# KiCad board FetsAndCrosses.kicad_pcb (continued)
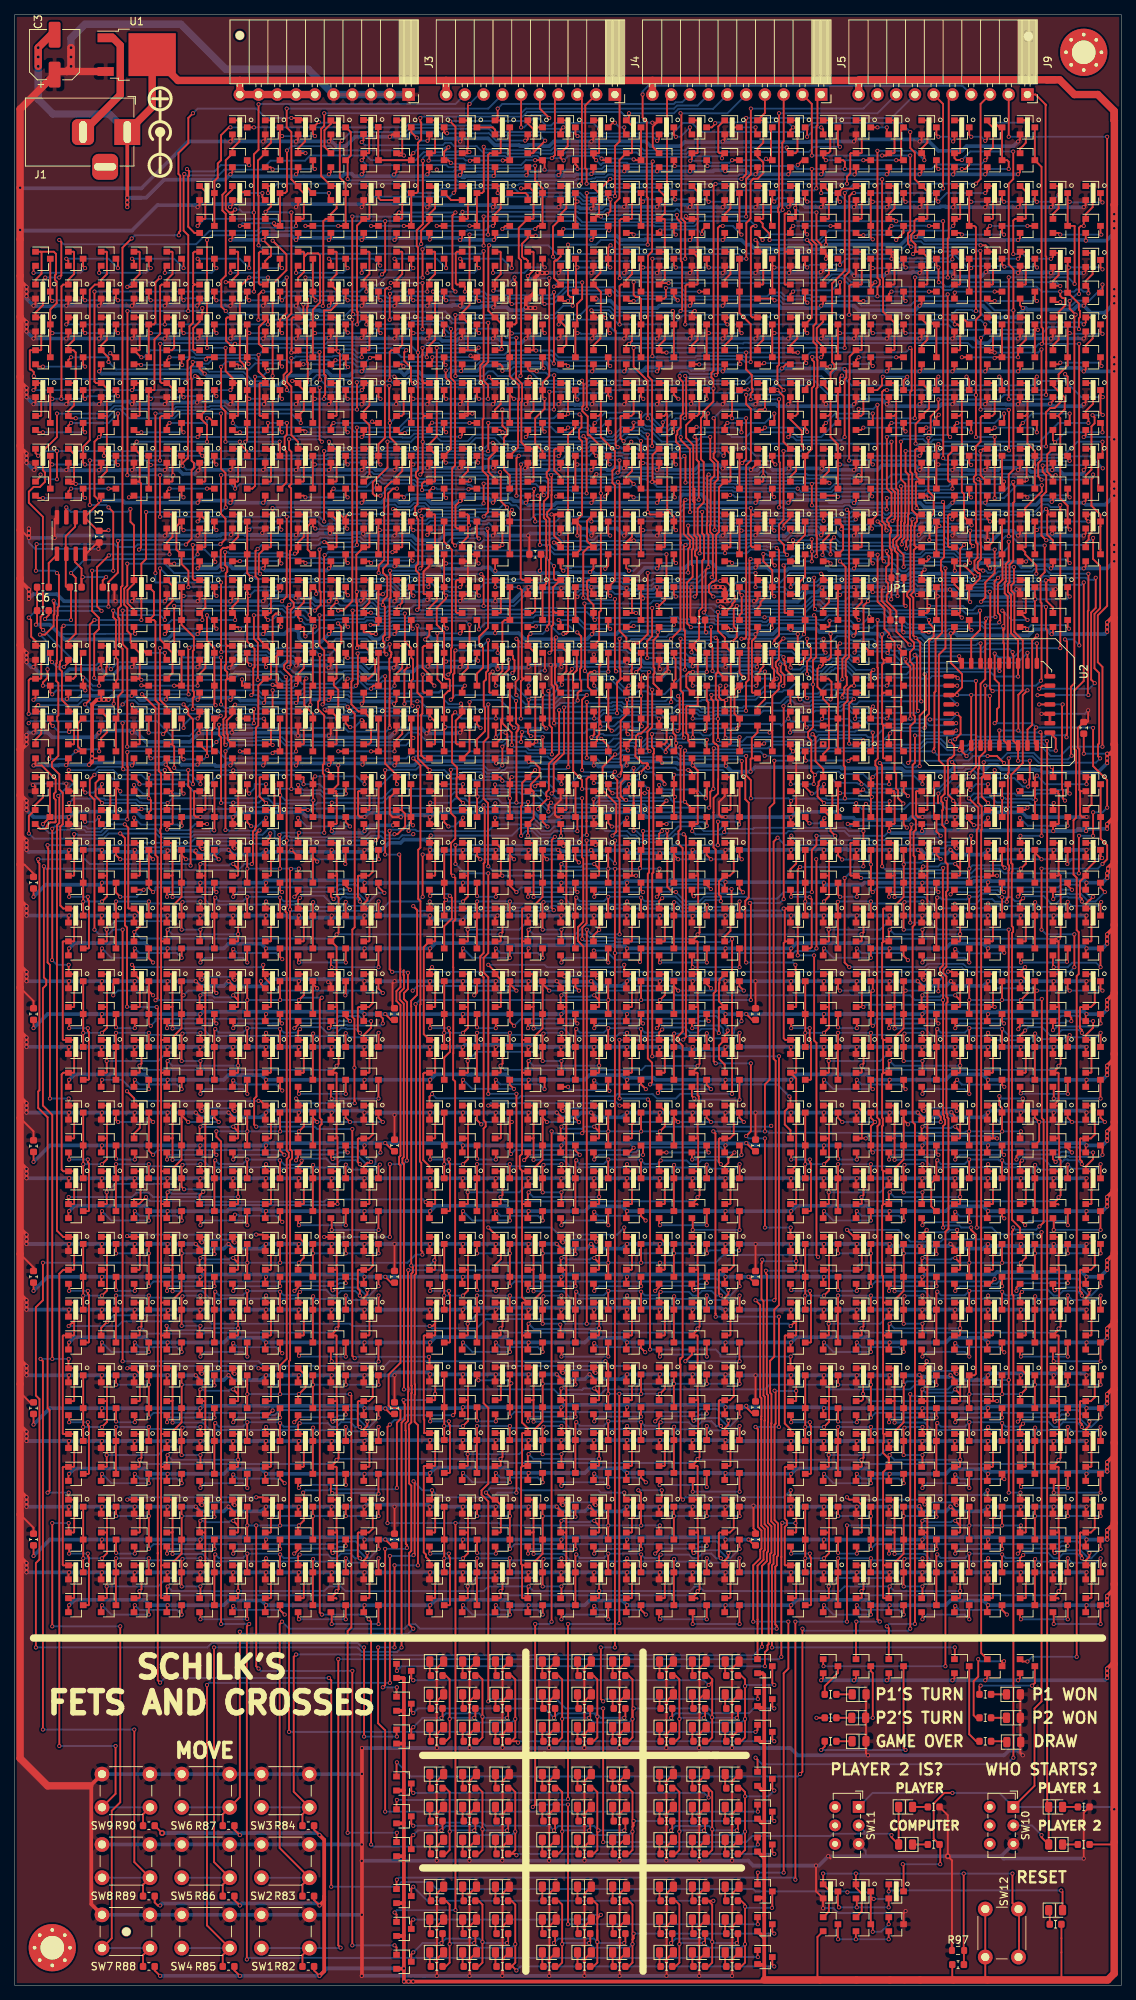
[diagram p0: board, top side]
## Routing (per net, layer and track width the routed paths; a pad name or vN(x,y) marks a point on that pad's centre or on a via; arc(x,y) is an arc through that point) (continued)
/PlayerMem_1/M2: length 471.3
  Top w0.25: 118.49,163.6 Q1024.1 ; Q1024.1 118.09,163.51 118.05,163.47 ; Q1024.1 118.4,162.59 v1(118.43,162.56) ; Q88.1 105.76,96.83 105.84,96.91 105.84,101.2 105.76,101.28 Q87.1 105.06,102.52 v1(105.09,102.55) ; 140.6,204.16 Q721.1 ; 140.6,204.16 140.53,204.16 139.83,204.86 139.83,207.18 Q722.1 ; 140.6,204.16 140.82,204.38 v1(140.97,204.38) ; 95.25,163.19 95.28,163.22 95.28,167.71 94.96,168.02 94.87,168.02 94.62,168.27 94.62,173.82 94.35,174.09 v1(94.35,174.62) ; 95.25,163.19 95.25,161.29 94.64,160.68 94.64,158.75 94.63,158.74 94.63,154.02 94.93,153.72 94.93,147.43 94.93,147.43 94.93,135.79 94.93,135.79 94.93,134.53 94.66,134.26 94.66,125.05 v1(94.93,124.78) ; 95.25,163.19 95.25,163.19 ; Q1023.1 105.06,162.59 v1(105.09,162.56) ; v1(93.31,185.81) 93.56,186.06 93.56,191.55 v1(93.95,191.93) 93.95,196.3 93.73,196.51 93.73,197.87 93.8,197.93 93.8,204.29 v1(93.98,204.47) ; v1(99.06,114.93) 99.7,115.57 v1(99.7,124.78) ; v1(52.7,189.86) 52.39,190.18 Q896.1 ; v1(38.1,44.77) 37.78,44.45 37.78,26.19 SW3.2 38.96,23.14 R84.1 ; v1(101.2,45.82) 101.2,56.75 101.87,57.41 101.87,58.56 102.03,58.72 102.03,61.93 101.55,62.4 101.55,76.41 101.58,76.44 101.58,79.65 101.4,79.82 101.4,92.58 101.13,92.86 101.13,97.71 101.23,97.82 v1(101.23,98.2) ; v1(45.75,186.06) 45.75,185.67 45.75,185.66 45.75,176.63 45.59,176.46 45.59,173.37 46.56,172.4 Q839.1 48.26,171.4 v1(48.26,170.81) 48.26,168.25 47.96,167.95 Q840.1 ; Q778.1 101.3,207.96 101.38,207.88 v1(101.38,204.29) 101.38,203.6 101.3,203.51 Q777.1 ; 51.7,186.38 51.75,186.34 51.76,186.34 v1(52.04,186.61) ; 51.7,186.38 52.48,187.16 52.48,190.1 52.41,190.18 Q896.1 ; 51.7,186.38 Q895.1 ; v1(108.22,162.58) 108.22,163.67 v1(108.38,163.83) 107.88,164.33 107.88,168.48 107.45,168.91 107.45,169.61 108.11,170.27 v1(108.11,176.06) 108.11,179.34 108.54,179.77 108.54,185.15 v1(108.27,185.42) ; Q896.1 51.88,190.35 51.88,190.4 ; v1(101.6,102.55) v1(101.6,114.62)
  Bottom w0.25: v1(52.04,186.61) 50.52,186.61 50.13,186.23 49.56,186.23 49.26,186.53 49.07,186.53 48.46,187.14 48.07,187.14 46.99,186.06 v1(45.75,186.06) ; 107.63,162.56 107.95,162.56 ; 107.63,162.56 v1(105.09,162.56) ; 107.63,162.56 107.66,162.58 v1(108.22,162.58) ; 101.7,204.1 101.5,204.29 v1(101.38,204.29) ; 101.7,204.1 101.65,204.05 97.97,204.05 97.92,204.1 94.35,204.1 v1(93.98,204.47) ; 101.7,204.1 101.72,204.08 104.68,204.08 104.7,204.1 107.05,204.1 107.24,203.92 113.87,203.92 114.01,203.78 118.05,203.78 118.74,204.47 133.41,204.47 133.51,204.57 135.54,204.57 135.6,204.5 137.17,204.5 137.43,204.24 138.6,204.24 138.74,204.38 v1(140.97,204.38) ; v1(99.7,124.78) v1(94.93,124.78) ; v1(101.23,98.2) 101.44,98 v1(105.84,98) ; v1(105.09,102.55) v1(101.6,102.55) ; v1(52.7,189.86) 53.39,190.55 57.78,190.55 58.06,190.28 73.58,190.28 73.71,190.15 74.88,190.15 75.17,190.44 78.14,190.44 78.15,190.42 82.33,190.42 82.6,190.15 86.27,190.15 86.42,190.3 92.31,190.3 v1(93.95,191.93) ; v1(108.27,185.42) 108.07,185.23 101.64,185.23 v1(101.55,185.14) 95.15,185.14 94.96,185.33 93.79,185.33 v1(93.31,185.81) ; v1(99.06,114.93) 99.38,114.62 v1(101.6,114.62) ; v1(38.1,44.77) 46.74,44.77 46.83,44.67 100.05,44.67 v1(101.2,45.82) ; v1(108.38,163.83) 108.81,164.26 111.61,164.26 111.92,163.95 114.88,163.95 116.27,162.56 v1(118.43,162.56) ; v1(94.35,174.62) 96.58,174.62 97.2,174 100.34,174 101.41,175.08 103.95,175.08 104.15,175.27 104.78,175.27 105.57,176.06 v1(108.11,176.06) ; SW3.2 SW3.2
/PlayerMem_1/M3: length 388.6
  Top w0.25: Q128.1 7.97,79.05 8.05,79.13 8.05,83.42 7.97,83.5 Q127.1 7.27,84.74 v1(7.3,84.77) ; v1(3.49,84.77) 3.81,84.45 v1(3.81,34.61) ; v1(41.92,195.32) 42.12,195.32 Q899.1 ; 87.97,190.18 Q782.1 ; 87.97,190.18 88.04,190.1 88.04,187.46 87.38,186.8 v1(87,186.8) 87.27,186.53 Q781.1 87.27,186.38 87.29,186.41 87.32,186.41 ; 87.97,190.18 88.27,190.48 v1(88.27,193.67) ; v1(128.27,185.1) 127.64,185.73 Q725.1 127.97,185.73 128.05,185.81 128.05,188.82 127.27,189.59 Q726.1 ; v1(16.19,34.61) 16.19,16.67 SW8.2 17.37,13.61 R89.1 ; v1(3.94,151.45) 3.94,136.4 4.26,136.08 4.26,135.39 3.81,134.94 3.81,119.06 5.08,117.79 v1(5.08,84.77) ; v1(32.9,194.41) 32.6,194.12 32.6,190.71 32.99,190.33 32.99,182.28 33.92,181.34 Q845.1 33.97,181.29 34.7,180.56 34.7,176.92 34.62,176.84 Q846.1 32.99,175.91 32.99,170.53 32.67,170.21 32.67,156.71 32.55,156.6 32.55,156.44 32.26,156.14 32.26,151.92 v1(32.1,151.76) ; Q899.1 42.81,194.36 ; Q899.1 43.52,194.62 43.59,194.7 43.59,198.34 42.86,199.07 Q900.1 ; Q340.1 96.87,167.95 96.98,168.06 96.98,180.48 Q339.1 96.17,182.38 95.23,183.33 v1(95.23,185.87)
  Bottom w0.25: v1(16.19,34.61) v1(3.81,34.61) ; v1(3.49,84.77) v1(5.08,84.77) v1(7.3,84.77) ; v1(95.23,185.87) 94.84,185.87 94.27,186.44 87.36,186.44 v1(87,186.8) ; v1(95.23,185.87) 95.5,185.59 98.85,185.59 99.05,185.79 107.05,185.79 108.14,186.87 109.03,186.87 109.48,186.42 114.95,186.42 115.1,186.27 117.85,186.27 118.49,185.64 127.73,185.64 v1(128.27,185.1) ; v1(95.23,185.87) 95.25,185.85 95.25,185.74 ; v1(3.94,151.45) 4.26,151.13 21.27,151.13 21.46,150.95 30.3,150.95 31.11,151.76 v1(32.1,151.76) ; v1(32.9,194.41) 33.4,194.91 41.12,194.91 41.53,195.32 v1(41.92,195.32) 45.82,195.32 46.05,195.55 46.62,195.55 47.04,195.13 53.47,195.13 54.4,194.2 72.56,194.2 73.09,193.67 v1(88.27,193.67) ; SW8.2 SW8.2
/PlayerMem_1/M4: length 473.6
  Top w0.25: 140.72,163.6 Q980.1 140.62,164.69 v1(140.44,164.87) ; Q168.1 56.87,79.18 56.94,79.26 56.94,83.55 56.87,83.62 56.17,83.62 56.17,84.98 v1(56.09,85.06) ; v1(121.01,165.45) 121.29,165.73 121.29,170.41 121.91,171.03 121.91,171.74 121.74,171.91 121.74,178.69 121.25,179.18 121.25,180.44 121.79,180.98 121.79,181.73 121.25,182.27 121.25,187.61 120.87,187.99 120.87,188.43 121.31,188.88 121.31,195.44 121.38,195.5 121.38,197.52 121.49,197.63 121.49,198.31 v1(121.6,198.42) ; v1(52.66,79.2) 52.66,78.82 52.81,78.67 52.81,76.56 52.39,76.14 v1(52.39,45.72) ; v1(126.98,198.42) 127.27,198.71 Q730.1 126.57,199.07 126.4,198.9 126.4,194.8 126.57,194.62 Q729.1 ; v1(32.7,116.2) 32.42,116.49 32.42,119.98 32.74,120.3 32.74,155.9 v1(33.15,156.31) ; v1(46.19,175.88) 46.47,176.16 46.47,180.22 v1(46.43,180.25) ; v1(133.98,165.42) 133.03,166.37 v1(131.76,166.37) ; v1(34.92,167.86) 34.83,167.95 Q852.1 34.62,167.95 34.7,168.03 34.7,172.32 34.62,172.4 ; v1(50.34,180.13) 50.06,180.4 50.06,181.78 49.88,181.96 49.88,182.53 50.12,182.77 50.12,186.55 v1(49.85,186.83) 49.85,187.39 50.45,187.99 50.45,190.6 49.88,191.16 49.88,191.74 50.55,192.41 50.55,194.25 50.58,194.27 50.58,201.93 51.22,202.56 v1(51.75,202.56) ; Q903.1 42.81,186.46 v1(43.59,187.23) 43.59,190.1 43.52,190.18 Q904.1 ; R86.1 28.17,13.61 SW5.2 26.99,16.67 v1(26.99,45.72) ; Q851.1 34.62,172.4 ; 34.62,172.4 34.92,172.7 v1(34.92,175.26) ; v1(45.72,115.89) 45.72,85.19 v1(46.04,84.87) ; v1(49.53,201.61) 48.78,201.61 48.48,201.9 48.48,203.42 50.48,205.42 v1(50.48,208.91) ; v1(85.73,209.87) v1(85.73,199.39) 86.05,199.07 Q786.1 87.97,199.07 88.04,198.99 88.04,194.7 87.97,194.62 Q785.1 87.58,194.31 ; v1(28.54,156.36) v1(28.54,167) ; Q979.1 127.29,165.2 v1(126.96,165.53)
  Bottom w0.25: v1(50.34,180.13) 50.06,180.4 46.59,180.4 v1(46.43,180.25) ; v1(49.85,186.83) 49.7,186.98 49.26,186.98 48.65,187.59 47.89,187.59 47.04,186.75 44.08,186.75 v1(43.59,187.23) ; v1(85.73,209.87) 85.49,210.1 85.17,210.1 84.86,210.42 82.4,210.42 81.12,209.13 80.05,209.13 79.77,209.41 77.71,209.41 77.25,208.95 68.93,208.95 68.92,208.96 66.44,208.96 65.53,209.87 62.23,209.87 61.36,209 57.7,209 57.16,209.54 54.28,209.54 53.66,208.91 v1(50.48,208.91) ; v1(28.54,167) 29.39,167.86 v1(34.92,167.86) ; v1(26.99,45.72) 46.42,45.72 47.02,45.12 51.79,45.12 v1(52.39,45.72) ; 121.41,198.25 121.58,198.42 v1(121.6,198.42) ; 121.41,198.25 121.73,198.57 126.83,198.57 v1(126.98,198.42) ; 121.41,198.25 120.85,198.81 118.59,198.81 118.35,198.57 117.72,198.57 117.29,199 113.61,199 113.26,198.66 110.21,198.66 110.06,198.81 104.09,198.81 104.06,198.84 96.02,198.84 95.47,199.39 94.02,199.39 93.39,200.02 92.82,200.02 92.79,199.99 90.77,199.99 90.17,199.39 v1(85.73,199.39) ; v1(56.94,80.04) 56.1,79.2 v1(52.66,79.2) ; v1(28.54,156.36) 28.93,156.36 29.04,156.25 32.7,156.25 32.76,156.31 v1(33.15,156.31) ; v1(140.44,164.87) 140.29,165.02 138.51,165.02 138.39,165.13 134.27,165.13 v1(133.98,165.42) ; v1(121.01,165.45) 121.29,165.73 126.76,165.73 v1(126.96,165.53) 127.19,165.77 129.19,165.77 129.79,166.37 v1(131.76,166.37) ; v1(32.7,116.2) 40.64,116.2 40.96,115.89 v1(45.72,115.89) ; v1(34.92,175.26) 35.06,175.13 38.7,175.13 39.18,175.61 45.92,175.61 v1(46.19,175.88) ; v1(51.75,202.56) 50.48,202.56 v1(49.53,201.61) ; v1(56.09,85.06) 46.22,85.06 v1(46.04,84.87) ; SW5.2 SW5.2
/PlayerMem_1/M5: length 475.6
  Top w0.25: Q208.1 105.76,79.05 105.84,79.13 105.84,83.42 105.76,83.5 Q207.1 105.06,85.06 v1(105.09,85.09) ; v1(90.59,155.79) 90.9,155.48 90.9,128.35 v1(90.54,127.99) ; v1(86.33,203.48) 86.36,203.51 86.56,203.51 ; Q790.1 87.22,207.96 86.38,207.13 86.38,203.7 86.56,203.51 ; v1(103.19,48.26) 103.19,48.65 103,48.83 103,56.64 103.22,56.85 103.22,58 103.38,58.16 103.38,62.49 102.9,62.96 102.9,75.85 103.05,76 103.05,80.32 v1(102.9,80.47) ; v1(33.23,191.04) 33.05,191.22 33.05,193.68 33.92,194.55 Q907.1 34.62,194.62 34.7,194.7 34.7,198.99 34.62,199.07 ; Q734.1 127.27,207.91 126.4,207.04 126.4,203.69 126.57,203.51 Q733.1 127,203.24 v1(127,202.56) ; 34.62,199.07 34.92,199.36 v1(34.92,199.93) ; 34.62,199.07 Q908.1 ; v1(81.89,127.95) 81.89,120.04 v1(81.92,120.01) ; v1(81.68,203.49) 81.92,203.26 81.92,183.3 82.84,182.38 Q1061.1 83.61,180.51 83.61,178.16 83.54,178.09 83.54,177.59 83.61,177.52 83.61,177.36 83.75,177.22 83.75,175.61 83.63,175.49 83.63,168.75 Q1062.1 82.84,167.31 83.01,167.13 v1(83.05,167.13) ; v1(63.5,203.24) v1(63.5,200.57) ; R83.1 38.96,13.61 SW2.2 35.88,18.57 35.88,48.89 v1(36.2,49.21) ; v1(80.95,155.6) 81.46,156.11 81.46,159.9 79.62,161.75 79.62,164.89 v1(81.32,166.59) ; 86.56,203.51 Q789.1 ; v1(19.68,191.77) 19.68,182.14 20.54,181.29 Q857.1 20.59,181.09 21.37,180.31 21.37,177.62 Q858.1 ; v1(85.75,119.88) 86.04,119.59 v1(86.04,86.04)
  Bottom w0.25: v1(90.59,155.79) 89.44,155.79 88.36,154.71 84.43,154.71 83.93,155.21 83.3,155.21 82.91,155.6 v1(80.95,155.6) ; v1(81.92,120.01) 85.62,120.01 v1(85.75,119.88) ; v1(86.04,86.04) 94.93,86.04 95.57,85.41 95.57,85.09 v1(105.09,85.09) ; 81.6,203.2 81.47,203.33 72.17,203.33 71.87,203.63 67.29,203.63 66.89,203.24 v1(63.5,203.24) ; 81.6,203.2 81.6,203.4 v1(81.68,203.49) ; 81.6,203.2 82.55,203.2 83.19,203.83 ; v1(102.9,80.47) 102.94,80.44 v1(105.84,80.44) ; 85.09,203.83 83.19,203.83 ; 83.19,203.83 85.5,203.83 85.85,203.48 v1(86.33,203.48) 87.01,202.79 91.84,202.79 91.87,202.82 93.41,202.82 93.48,202.75 97.36,202.75 97.51,202.6 106.01,202.6 106.49,202.11 110.62,202.11 111.07,202.57 119.44,202.57 119.73,202.28 123.23,202.28 123.38,202.43 126.87,202.43 v1(127,202.56) ; v1(36.2,49.21) 37.15,48.26 52.77,48.26 53.37,48.86 54.26,48.86 54.86,48.26 v1(103.19,48.26) ; v1(81.89,127.95) 90.51,127.95 v1(90.54,127.99) ; v1(33.23,191.04) 32.84,191.04 32.69,191.19 31.35,191.19 30.84,190.68 20.77,190.68 v1(19.68,191.77) ; SW2.2 SW2.2 ; 105.86,202.75 v1(106.05,202.56) ; v1(81.32,166.59) 81.7,166.59 82.25,167.13 v1(83.05,167.13) ; v1(34.92,199.93) 35.31,199.93 35.38,200.01 50.17,200.01 50.56,200.4 51.51,200.4 51.83,200.08 53.55,200.08 54.09,200.62 55.58,200.62 56.19,200 59.98,200 60.27,200.29 63.22,200.29 v1(63.5,200.57)
/PlayerMem_1/M6: length 377.9
  Top w0.25: 113.85,185.16 113.85,185.65 Q737.1 ; Q794.1 77.67,190.18 77.5,190.01 77.5,188.94 77.6,188.85 77.6,187.62 78.38,186.84 Q793.1 78.38,184.96 v1(78.55,184.78) ; v1(23.5,164.46) 23.5,162.31 23.81,161.99 v1(23.81,151.55) ; v1(29.59,164.43) 29.5,164.34 Q377.1 ; 20.32,167.69 Q864.1 21.29,167.95 ; v1(35.74,185.66) 35.35,185.66 34.92,185.23 v1(34.92,181.29) ; v1(7.3,62.55) 7.3,61.31 Q248.1 7.97,61.27 8.05,61.35 8.05,65.64 7.97,65.72 Q247.1 7.27,66.64 v1(7.3,66.67) ; R88.1 17.37,4.09 SW7.2 ; v1(42.33,164.46) 42.83,163.96 Q378.1 ; SW7.2 13.14,6.35 13.14,23.61 14.29,24.76 v1(14.29,48.58) ; v1(5.08,48.58) v1(5.08,62.55) ; v1(114.3,184.78) 113.94,185.15 Q737.1 ; Q737.1 113.94,186.38 114.71,187.16 114.71,190.1 114.64,190.18 Q738.1 ; v1(3.18,152.4) 3.18,152.01 3.34,151.85 3.34,121.13 3.18,120.97 3.18,118.74 4.45,117.47 4.45,78.11 4.72,77.83 4.72,66.95 v1(4.45,66.67) ; 21.29,167.95 21.59,167.65 v1(21.59,164.78) ; 21.29,167.95 21.37,168.03 21.37,172.32 21.29,172.4 Q863.1 20.59,173.05 19.66,173.98 v1(19.66,180.97) ; v1(34.29,184.78) 33.92,185.15 Q911.1 34.62,185.73 34.7,185.81 34.7,190.1 34.62,190.18 Q912.1
  Bottom w0.25: v1(114.3,184.78) 113.65,185.43 113.36,185.43 ; v1(7.3,66.67) v1(4.45,66.67) ; v1(21.59,164.78) 21.94,164.43 v1(29.59,164.43) 42.29,164.43 v1(42.33,164.46) ; v1(3.18,152.4) 9.53,152.4 10.16,151.76 23.59,151.76 v1(23.81,151.55) ; 113.36,185.43 110.22,185.43 109.57,184.78 102.04,184.78 101.76,184.5 101.31,184.5 101.16,184.65 95,184.65 94.77,184.88 90.06,184.88 89.75,185.2 88.8,185.2 88.67,185.06 78.82,185.06 v1(78.55,184.78) 77.46,185.87 70.36,185.87 70.06,185.57 53.64,185.57 53.12,185.05 50.87,185.05 50.69,184.88 49,184.88 48.7,185.17 47.51,185.17 47.25,184.91 43.48,184.91 43.35,184.78 39.62,184.78 39.02,185.39 38.07,185.39 37.84,185.15 36.25,185.15 v1(35.74,185.66) 34.87,184.78 v1(34.29,184.78) ; 113.36,185.43 113.57,185.43 ; v1(34.92,181.29) 34.01,182.21 21.54,182.21 20.3,180.97 v1(19.66,180.97) ; v1(5.08,62.55) v1(7.3,62.55) ; v1(14.29,48.58) v1(5.08,48.58) ; SW7.2 SW7.2
/PlayerMem_1/M7: length 452.1
  Top w0.25: 91.82,163.6 Q942.1 91.73,164.16 91.4,164.49 v1(91.22,164.49) ; Q256.1 56.87,61.27 56.94,61.35 56.94,65.64 56.87,65.72 Q255.1 56.52,66.07 v1(56.52,66.99) ; v1(7.62,191.13) 8.25,190.5 8.25,182.94 7.25,181.94 Q869.1 7.96,181.29 ; v1(77.47,155.69) 77.44,155.73 77.44,163.25 77.69,163.51 Q941.1 78.39,162.74 v1(78.42,162.71) ; v1(59.69,151.76) 59.69,154.33 v1(59.69,154.34) ; Q870.1 7.93,176.84 ; 7.93,176.84 8.26,177.17 8.26,180.98 7.96,181.29 ; 7.93,176.84 7.96,176.84 ; v1(81.43,177.83) 81.43,177.97 81.28,178.12 v1(81.28,187.61) ; v1(113.9,198.4) 113.92,198.4 113.94,198.42 Q742.1 114.64,199.07 114.71,198.99 114.71,194.7 114.64,194.62 Q741.1 ; v1(78.11,198.12) 78.11,198.8 Q798.1 77.5,198.2 77.5,195.5 Q797.1 77.67,194.62 77,193.95 v1(77,187.79) ; v1(85.76,164.79) 85.76,165.28 85.65,165.39 ; R85.1 28.17,4.09 SW4.2 26.04,8.1 v1(26.04,40.64) ; v1(67.95,120.65) v1(67.95,66.67) ; v1(54.01,58.21) 54.16,58.36 54.16,68.05 v1(54.01,68.2) ; v1(84.7,164.11) 85.65,165.06 85.65,165.39 ; v1(85.91,177.72) 85.73,177.54 85.73,170.33 84.82,169.41 84.48,169.41 84.13,169.06 84.13,167.73 84.06,167.67 84.06,166.34 85.01,165.39 85.65,165.39 ; 7.96,181.29 8.03,181.21 ; v1(24.76,198.12) 25.04,198.39 Q916.1 25.08,199.07 25.81,198.34 25.81,194.7 25.74,194.62 Q915.1 24.76,194.35 v1(24.76,193.67) ; v1(64.14,120.65) 64.14,136.44 63.5,137.07 63.5,139.06 64.13,139.7 v1(64.13,150.5) ; v1(50.8,58.1) v1(50.8,40.92)
  Bottom w0.25: v1(81.28,187.61) 81.13,187.46 77.91,187.46 77.76,187.61 77.18,187.61 v1(77,187.79) ; v1(67.95,66.67) 65.41,66.67 64.77,66.04 57.47,66.04 v1(56.52,66.99) 55.22,66.99 v1(54.01,68.2) ; v1(84.7,164.11) 84.23,163.65 82.68,163.65 81.75,162.71 v1(78.42,162.71) ; v1(7.62,191.13) 9.41,192.92 13.1,192.92 13.22,193.04 24.13,193.04 v1(24.76,193.67) ; v1(77.47,155.69) 77.08,155.69 76.33,154.94 74.17,154.94 73.57,154.34 v1(59.69,154.34) ; v1(50.8,58.1) 53.9,58.1 v1(54.01,58.21) ; v1(64.13,150.5) 60.96,150.5 v1(59.69,151.76) ; v1(81.43,177.83) 83.38,177.83 83.89,178.34 84.44,178.34 84.89,177.9 85.73,177.9 v1(85.91,177.72) ; v1(24.76,198.12) 41.02,198.12 41.62,197.52 42.2,197.52 42.48,197.81 55.89,197.81 56.28,198.2 61.95,198.2 62.41,197.74 63.98,197.74 64.12,197.88 64.26,197.88 64.61,197.52 75.1,197.52 75.7,198.12 v1(78.11,198.12) 78.14,198.15 95.14,198.15 95.36,197.94 103.69,197.94 103.72,197.91 108.96,197.91 109.35,197.52 109.91,197.52 110.51,198.13 113.62,198.13 v1(113.9,198.4) ; v1(64.14,120.65) v1(67.95,120.65) ; 86.29,164.75 86.26,164.79 v1(85.76,164.79) 89.49,164.79 89.79,164.49 v1(91.22,164.49) ; v1(50.8,40.92) 26.32,40.92 v1(26.04,40.64) ; SW4.2 SW4.2
/PlayerMem_1/M8: length 488
  Top w0.25: Q296.1 105.76,61.27 105.84,61.35 105.84,65.64 105.76,65.72 Q295.1 105.06,66.96 v1(105.09,66.99) ; 90.17,84.77 90.17,84.89 ; 90.17,84.77 90.13,84.81 90.09,84.81 90.09,84.11 90.17,84.04 90.17,66.04 v1(90.49,65.72) ; 90.17,84.77 90.45,85.06 90.45,127.16 89.72,127.9 89.72,128.33 90.45,129.07 90.45,153.92 89.89,154.48 89.89,156.18 90.17,156.46 v1(90.17,167.61) ; Q801.1 78.38,204.16 78.73,204.52 v1(78.77,204.52) ; v1(78.74,207.01) 78.38,207.38 Q802.1 ; v1(44.13,5.08) 43.81,5.4 v1(43.81,44.13) ; R82.1 38.96,4.09 SW1.2 ; Q876.1 7.96,167.95 8.03,168.03 8.03,172.32 7.96,172.4 Q875.1 7.25,173.09 6.38,173.96 6.38,177.83 6.07,178.15 6.07,178.72 6.13,178.78 6.13,179.13 6.34,179.34 6.34,183.73 v1(6.61,184) ; v1(103.97,62.59) 103.83,62.45 103.83,57.98 103.82,57.97 v1(103.82,44.45) ; v1(27.94,204.38) 27.94,199.12 28.54,198.52 28.54,195.74 v1(27.86,195.05) ; v1(25.4,184.78) 25.4,185.37 Q919.1 25.08,185.73 25.81,186.46 25.81,190.1 25.74,190.18 Q920.1 24.33,190.18 24.11,190.41 v1(24.11,194.94) ; Q746.1 114.64,207.96 114.71,207.88 114.71,203.59 114.64,203.51 Q745.1 113.94,204.16 114.15,204.38 v1(114.3,204.38) ; v1(72.65,204.38) 72.71,204.32 72.71,201.72 72.69,201.7 72.69,199.94 72.11,199.36 72.11,198.78 72.42,198.47 72.42,194.97 72.49,194.91 72.49,193.01 72.39,192.91 72.39,184.25 72.11,183.97 v1(72.11,183.51) ; v1(70.63,168.34) 70.25,167.95 Q1068.1 70.2,167.95 70.5,168.25 70.5,180.29 Q1067.1 69.5,182.56 v1(69.85,182.91) ; v1(81.65,204.74) 81.89,204.98 v1(81.89,206.38)
  Bottom w0.25: 72.97,204.53 66.91,204.53 66.57,204.19 65.43,204.19 65.28,204.34 55.97,204.34 55.5,203.87 54.64,203.87 54.17,204.34 49.94,204.34 49.75,204.53 48.63,204.53 48.32,204.84 47.75,204.84 47.29,204.38 v1(27.94,204.38) ; 72.97,204.53 73.6,204.53 73.89,204.24 78.5,204.24 v1(78.77,204.52) 78.82,204.47 81.23,204.47 81.49,204.74 86.48,204.74 86.71,204.5 87.28,204.5 87.31,204.53 92.31,204.53 92.89,205.1 95.12,205.1 95.67,204.55 98.11,204.55 98.16,204.5 100.75,204.5 101.31,205.07 101.46,205.07 102,204.53 104.5,204.53 104.52,204.55 107.24,204.55 107.41,204.38 v1(114.3,204.38) ; 72.97,204.53 72.8,204.53 v1(72.65,204.38) ; v1(103.82,44.45) 103.51,44.13 v1(43.81,44.13) ; v1(70.63,168.34) 70.88,168.09 80.46,168.09 81.09,168.73 84.01,168.73 84.55,168.18 85,168.18 85.54,168.73 87.82,168.73 89.09,167.46 90.02,167.46 v1(90.17,167.61) ; v1(44.13,5.08) 44.08,5.02 SW1.2 SW1.2 ; v1(90.49,65.72) 90.81,66.04 104.14,66.04 v1(105.09,66.99) ; v1(25.4,184.78) 21.28,184.78 20.61,184.12 6.73,184.12 v1(6.61,184) ; v1(27.86,195.05) 27.75,194.94 v1(24.11,194.94) ; v1(78.74,207.01) 79.29,206.46 81.81,206.46 v1(81.89,206.38) ; v1(105.73,62.55) 104.01,62.55 v1(103.97,62.59) ; v1(72.11,183.51) 71.51,182.91 v1(69.85,182.91)
/PlayerMem_1/RESET: length 569.1
  Top w0.25: v1(42.55,41.59) 42.86,41.27 v1(42.86,13.33) ; v1(100.32,238.12) 99.93,238.12 99.7,237.88 99.7,225.94 99.9,225.74 Q675.1 101.3,225.74 101.38,225.66 101.38,222.72 100.6,221.94 Q676.1 100.48,221.29 100.28,221.09 ; v1(24.76,238.12) 25.04,238.39 Q672.1 25.74,239.07 25.81,239.15 25.81,242.79 25.08,243.52 Q671.1 ; Q1.1 51.66,163.86 50.17,165.35 v1(50.17,177.16) ; Q1.1 52.36,163.51 52.43,163.43 52.43,159.14 52.36,159.06 ; Q1.1 51.66,162.65 v1(51.75,162.56) ; 52.36,159.06 52.88,158.54 52.88,156.85 51.82,155.8 v1(51.44,155.8) ; 52.36,159.06 Q2.1 ; v1(116.2,7.24) 116.2,7.98 Q1393.3 115.94,11.83 ; v1(37.09,178.4) 37.36,178.68 37.36,186.13 37.78,186.55 37.78,187.13 37.28,187.63 37.28,194.12 37.43,194.27 37.43,202.6 37.15,202.88 ; 37.15,202.88 37.25,202.98 ; 37.15,202.88 37.47,203.2 37.47,207.54 37.15,207.86 v1(37.15,209.23) ; 115.94,11.83 Q1392.3 ; 115.94,11.83 116.08,11.68 v1(116.33,11.68) ; v1(41.3,216.22) 41.28,216.2 41.28,209.23 v1(41.59,208.91) ; v1(50.17,238.76) 50.17,231.99 v1(49.74,231.56) ; v1(1.91,155.89) 1.91,158.26 2.71,159.06 Q940.1 2.76,159.71 3.81,160.76 3.81,163.16 3.46,163.51 Q939.1 ; v1(39.37,216.54) 39.69,216.86 39.69,219.62 39.59,219.71 39.59,227.11 39.69,227.2 39.69,228.28 39.37,228.6 v1(39.37,231.14) ; v1(19.68,40.96) 19.36,41.28 19.36,58.42 19.37,58.43 19.37,58.53 19.36,58.53 19.36,132.25 v1(19.21,132.4) ; Q1395.1 118.38,12.72 v1(118.36,12.7) ; v1(118.36,8.25) 118.38,8.27 Q1396.1 ; D86.2 141.91,12.65 v1(141.73,12.83) ; v1(15.21,132.44) 15.21,143.16 14.92,143.45 14.92,155.26 v1(14.29,155.89)
  Bottom w0.25: v1(141.73,12.83) 118.49,12.83 v1(118.36,12.7) 118.36,12.06 117.98,11.68 v1(116.33,11.68) 115.44,12.57 v1(112.78,12.57) 112.65,12.7 100.33,12.7 100.01,13.02 57.15,13.02 56.2,13.97 52.39,13.97 51.75,13.33 v1(42.86,13.33) ; v1(118.36,8.25) 117.35,7.24 v1(116.2,7.24) ; v1(49.74,231.56) 49.32,231.14 v1(39.37,231.14) ; v1(39.37,216.54) 40.97,216.54 v1(41.3,216.22) ; v1(24.76,238.12) 25.72,239.08 35.39,239.08 35.69,238.78 76.08,238.78 76.68,238.18 86.58,238.18 86.67,238.08 92.04,238.08 92.73,238.78 99.66,238.78 v1(100.32,238.12) ; v1(50.17,177.16) 49.78,177.16 49.2,176.59 47.89,176.59 46.58,177.9 44.61,177.9 44.43,177.71 37.77,177.71 v1(37.09,178.4) ; v1(51.44,155.8) 51.29,155.65 50.31,155.65 49.81,156.14 48.19,156.14 47.44,155.39 37.27,155.39 37.12,155.54 36.54,155.54 35.76,154.76 35.75,154.76 35.21,155.29 35.21,156.18 34.9,156.49 34.32,156.49 33.53,155.71 24.26,155.71 23.94,155.39 19.62,155.39 19.11,155.89 12.7,155.89 12.01,155.19 2.6,155.19 v1(1.91,155.89) ; v1(19.21,132.4) 15.25,132.4 v1(15.21,132.44) ; v1(41.59,208.91) 41.28,209.23 v1(37.15,209.23) ; v1(42.55,41.59) 20.32,41.59 v1(19.68,40.96)
/PlayerMem_1/Sheet5EFB6D22/sheet5EFB6E86/D: length 49.9
  Top w0.25: Q38.3 v1(13.72,99.06) ; Q3.3 v1(18.16,99.06) Q4.3 v1(18.16,94.61) ; 47.26,87.94 47.96,87.94 48.04,88.02 48.04,92.31 47.96,92.39 Q26.1 47.26,93.04 47.76,93.54 v1(47.76,94.06)
  Bottom w0.25: v1(13.72,99.06) v1(18.16,99.06) ; v1(18.16,94.61) 18.8,95.25 43.56,95.25 43.94,95.63 46.19,95.63 v1(47.76,94.06)
/PlayerMem_1/Sheet5EFB6D22/sheet5EFB6E86/sheet5EFA4EF6/A: length 30.8
  Top w0.25: Q33.3 22.59,99.08 v1(22.61,99.06) 22.61,95.9 Q34.3 22.59,93.96 21.52,92.89 v1(21.52,90.68) ; v1(27.05,98.97) 27.04,98.99 Q36.3 ; 11.7,87.94 11.7,88.98 v1(12.54,89.82) 12.54,92.25 12.4,92.39 Q5.1
  Bottom w0.25: v1(27.05,98.97) 26.96,99.06 v1(22.61,99.06) ; v1(21.52,90.68) 13.4,90.68 v1(12.54,89.82)
/PlayerMem_1/Sheet5EFB6D22/sheet5EFB6E86/sheet5EFA5AF5/A: length 51.4
  Top w0.25: Q32.1 47.96,101.28 48.48,100.76 48.48,97.36 47.96,96.83 Q31.1 46.56,96.83 46.46,96.74 46.46,94.3 46.74,94.02 v1(46.74,93.34) ; Q17.3 Q15.3 27.04,93.75 v1(27.16,93.87) ; 38.37,87.94 39.07,87.94 39.15,88.02 39.15,92.31 39.07,92.39 Q21.1 38.37,93.59 v1(38.62,93.84) ; Q16.3 31.48,93.96 v1(31.5,93.98) ; v1(35.94,93.86) 35.92,93.85 Q20.3
  Bottom w0.25: v1(27.16,93.87) 27.65,93.38 30.9,93.38 v1(31.5,93.98) 35.83,93.98 v1(35.94,93.86) 36.43,93.38 38.15,93.38 v1(38.62,93.84) 38.89,94.12 42.16,94.12 42.93,93.34 43.56,93.34 44.2,93.98 46.1,93.98 v1(46.74,93.34)
/PlayerMem_1/Sheet5EFB6D22/sheet5EFB6E86/sheet5EFA557C/A: length 59.8
  Top w0.25: 25.74,96.83 25.81,96.91 25.81,101.2 25.74,101.28 Q36.1 25.04,100.63 25.12,100.54 v1(25.32,100.54) ; 25.74,96.83 Q35.1 25.04,98.31 v1(25.15,98.42) ; 25.74,96.83 25.81,96.76 25.81,92.47 25.74,92.39 Q15.1 25.15,92.5 v1(25.15,93.34) ; Q12.1 30.18,96.83 30.26,96.91 30.26,97.82 ; v1(29.59,98.42) 30.2,97.82 30.26,97.82 ; 30.26,97.82 30.26,101.2 30.18,101.28 Q11.1 29.48,100.63 29.57,100.54 v1(29.77,100.54) ; Q6.3 18.14,93.33 v1(18.16,93.34) ; v1(13.72,93.34) 13.72,91.46 Q5.3 Q7.3 ; v1(22.71,93.24) 22.59,93.12 Q10.3 22.59,89.27 v1(22.61,89.25) ; 25.04,87.94 25.04,89.14 v1(25.15,89.25)
  Bottom w0.25: v1(25.32,100.54) 25.71,100.93 29.38,100.93 v1(29.77,100.54) ; v1(13.72,93.34) v1(18.16,93.34) 18.44,93.07 22.54,93.07 v1(22.71,93.24) 22.82,93.34 v1(25.15,93.34) ; v1(29.59,98.42) 29.2,98.42 29.02,98.24 25.72,98.24 25.53,98.42 v1(25.15,98.42) ; v1(25.15,89.25) v1(22.61,89.25)
/PlayerMem_1/Sheet5EFB6D22/sheet5EFB6E86/sheet5EFA6019/A: length 55.7
  Top w0.25: Q34.1 21.29,96.83 21.37,96.91 ; 21.37,96.91 21.37,101.2 21.29,101.28 Q33.1 ; 21.37,96.91 21.37,96.9 v1(21.37,93.94) ; v1(34.04,93.34) 33.92,93.23 Q20.1 34.62,92.39 34.7,92.31 34.7,88.02 34.62,87.94 33.92,87.94 ; Q22.3 44.83,91.46 v1(44.83,93.34) ; Q26.3 49.28,91.46 v1(49.28,93.34) ; Q23.3 Q21.3 40.37,93.21 v1(40.41,93.25)
  Bottom w0.25: v1(49.28,93.34) 48.68,92.74 45.43,92.74 v1(44.83,93.34) 44.83,92.96 44.77,92.89 40.76,92.89 v1(40.41,93.25) 40.09,92.93 34.46,92.93 v1(34.04,93.34) 33.62,92.93 26.45,92.93 25.43,93.95 21.77,93.95 21.76,93.94 v1(21.37,93.94)
/PlayerMem_1/Sheet5EFB6D22/sheet5F46F157/A: length 53.3
  Top w0.25: Q13.1 34.62,96.83 34.7,96.91 34.7,101.2 34.62,101.28 Q14.1 33.61,101.6 v1(32.7,101.6) ; Q27.3 40.37,99.08 v1(40.39,99.06) 40.37,99.04 Q29.3 ; 34.7,99.06 v1(34.85,99.06) ; Q28.3 44.83,100.31 v1(44.83,99.06) ; Q32.3 49.28,100.31 v1(49.28,99.06) ; v1(15.21,101.39) 15.31,101.28 Q3.1 16.86,101.28 16.94,101.2 16.94,96.91 16.86,96.83 Q4.1